# KiCad board DumpsterPanel.kicad_pcb
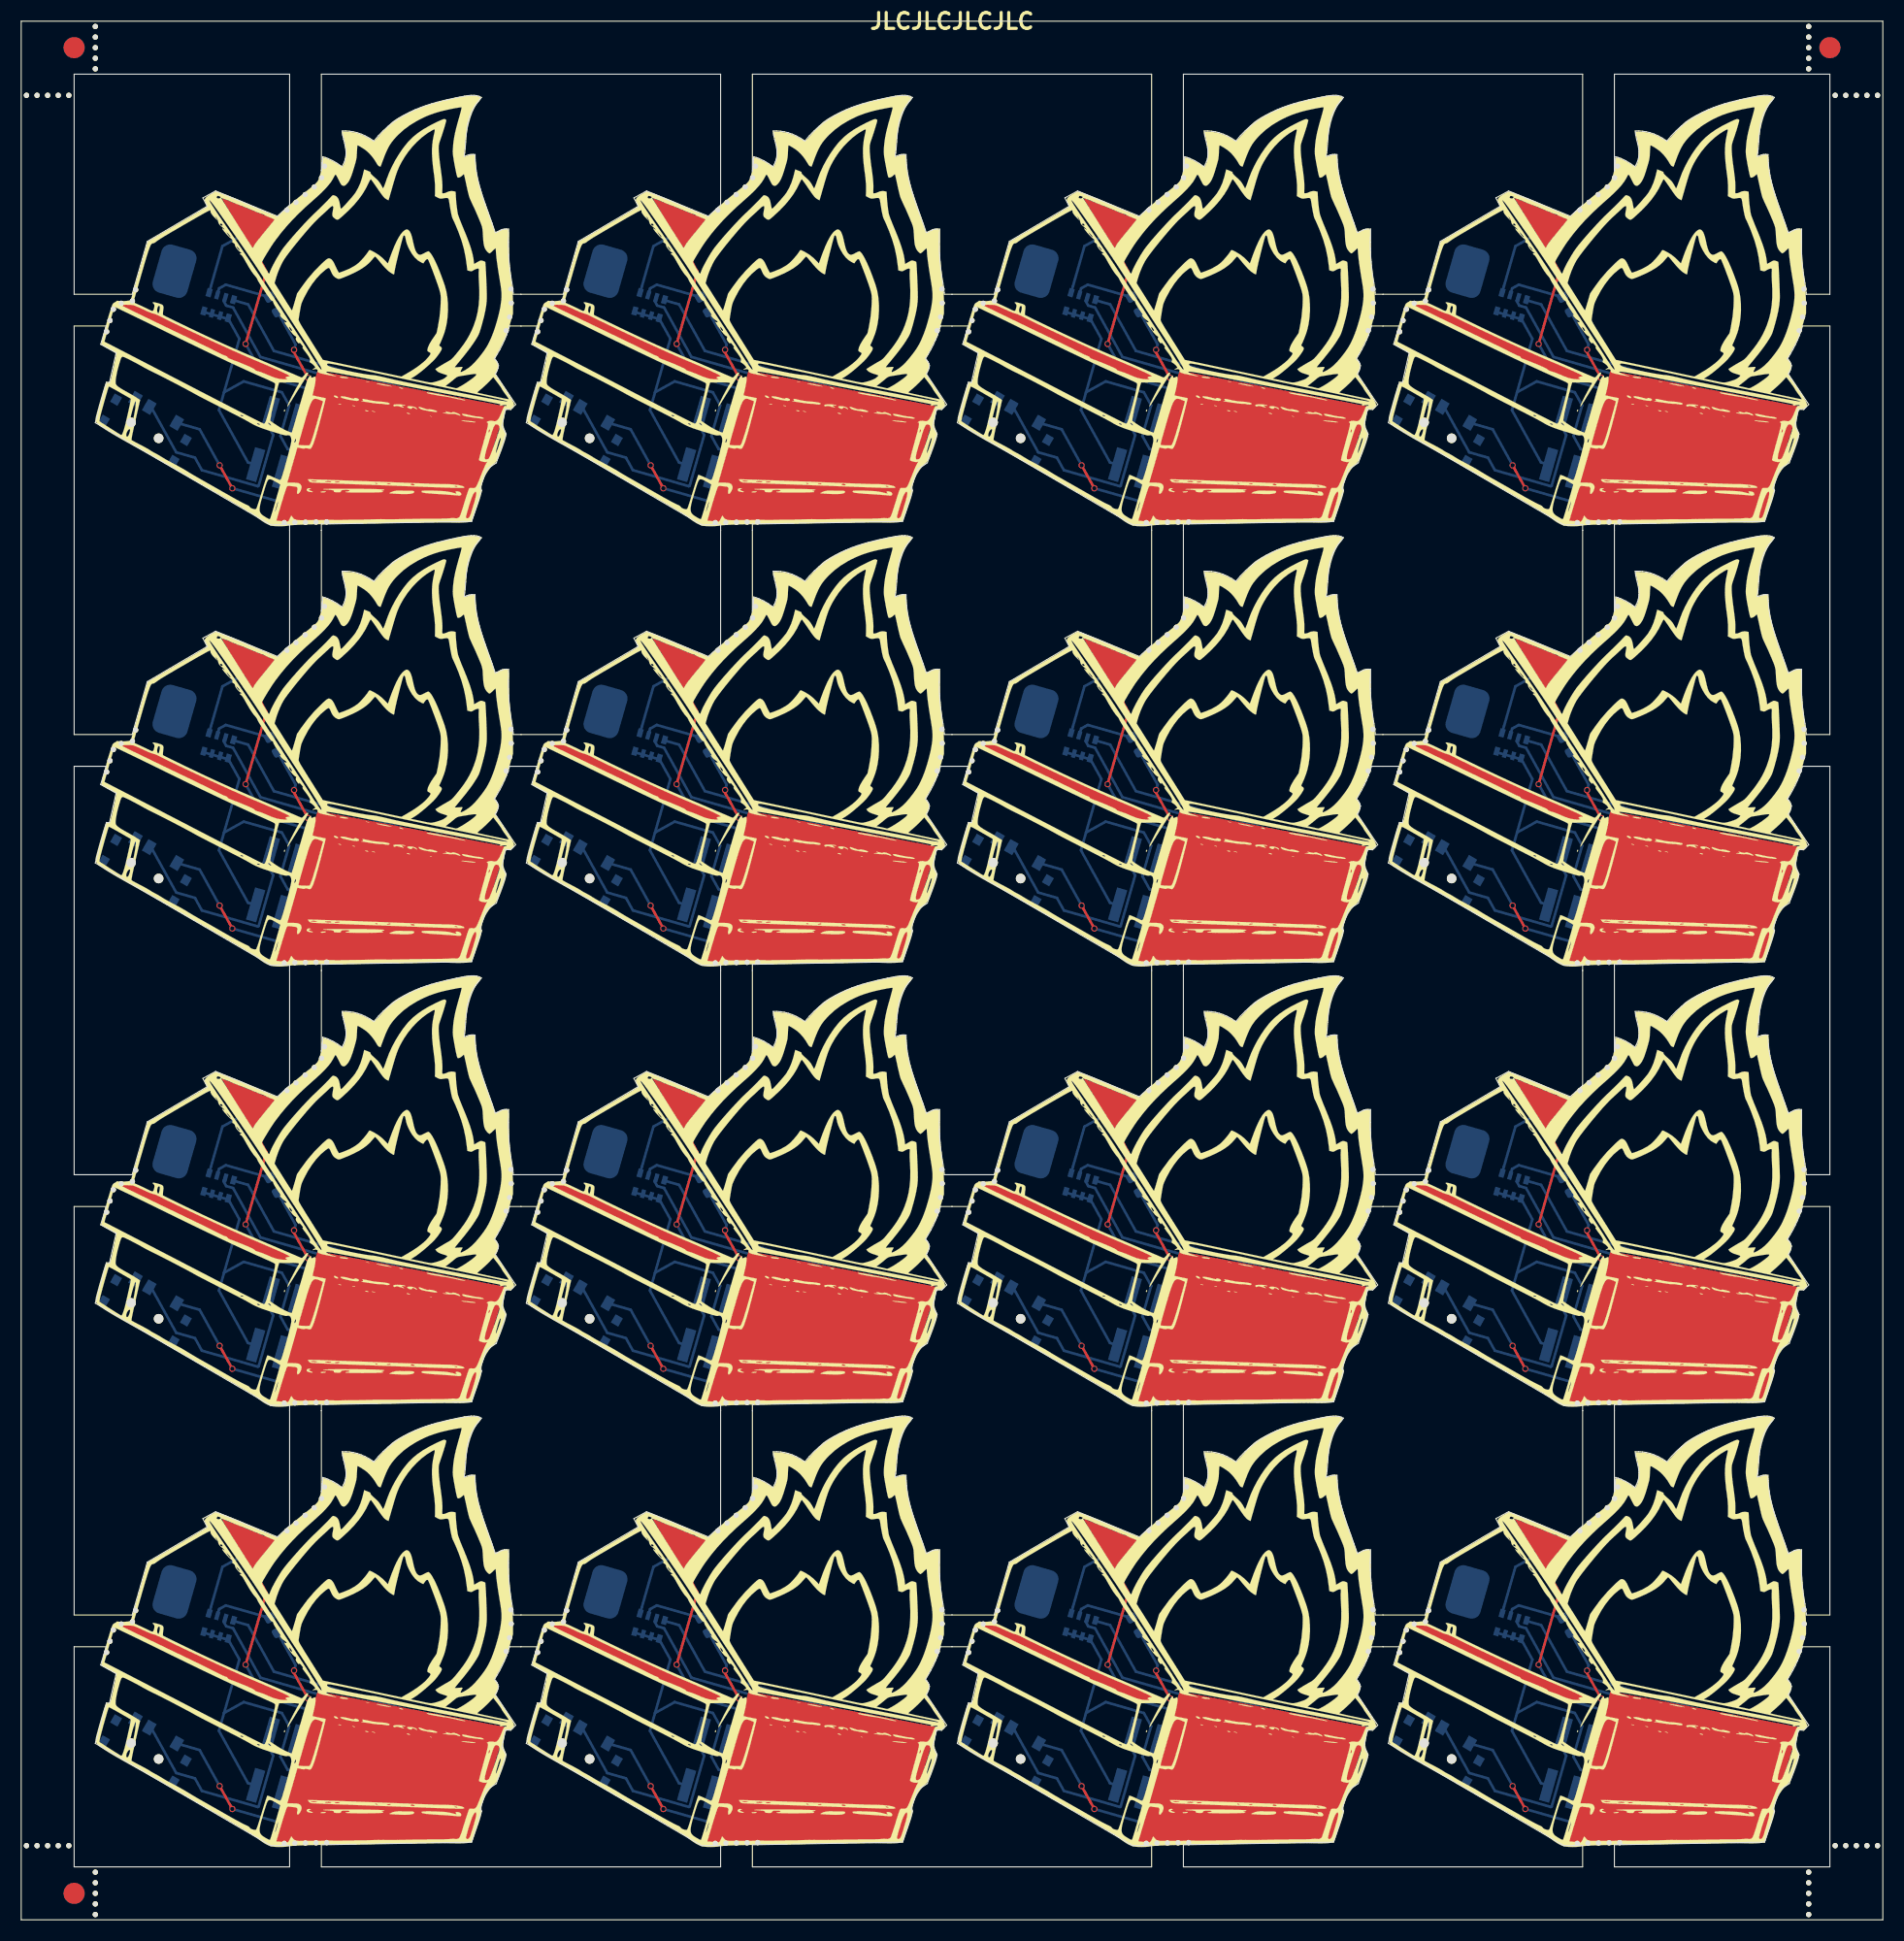
[diagram p0: board, top side]
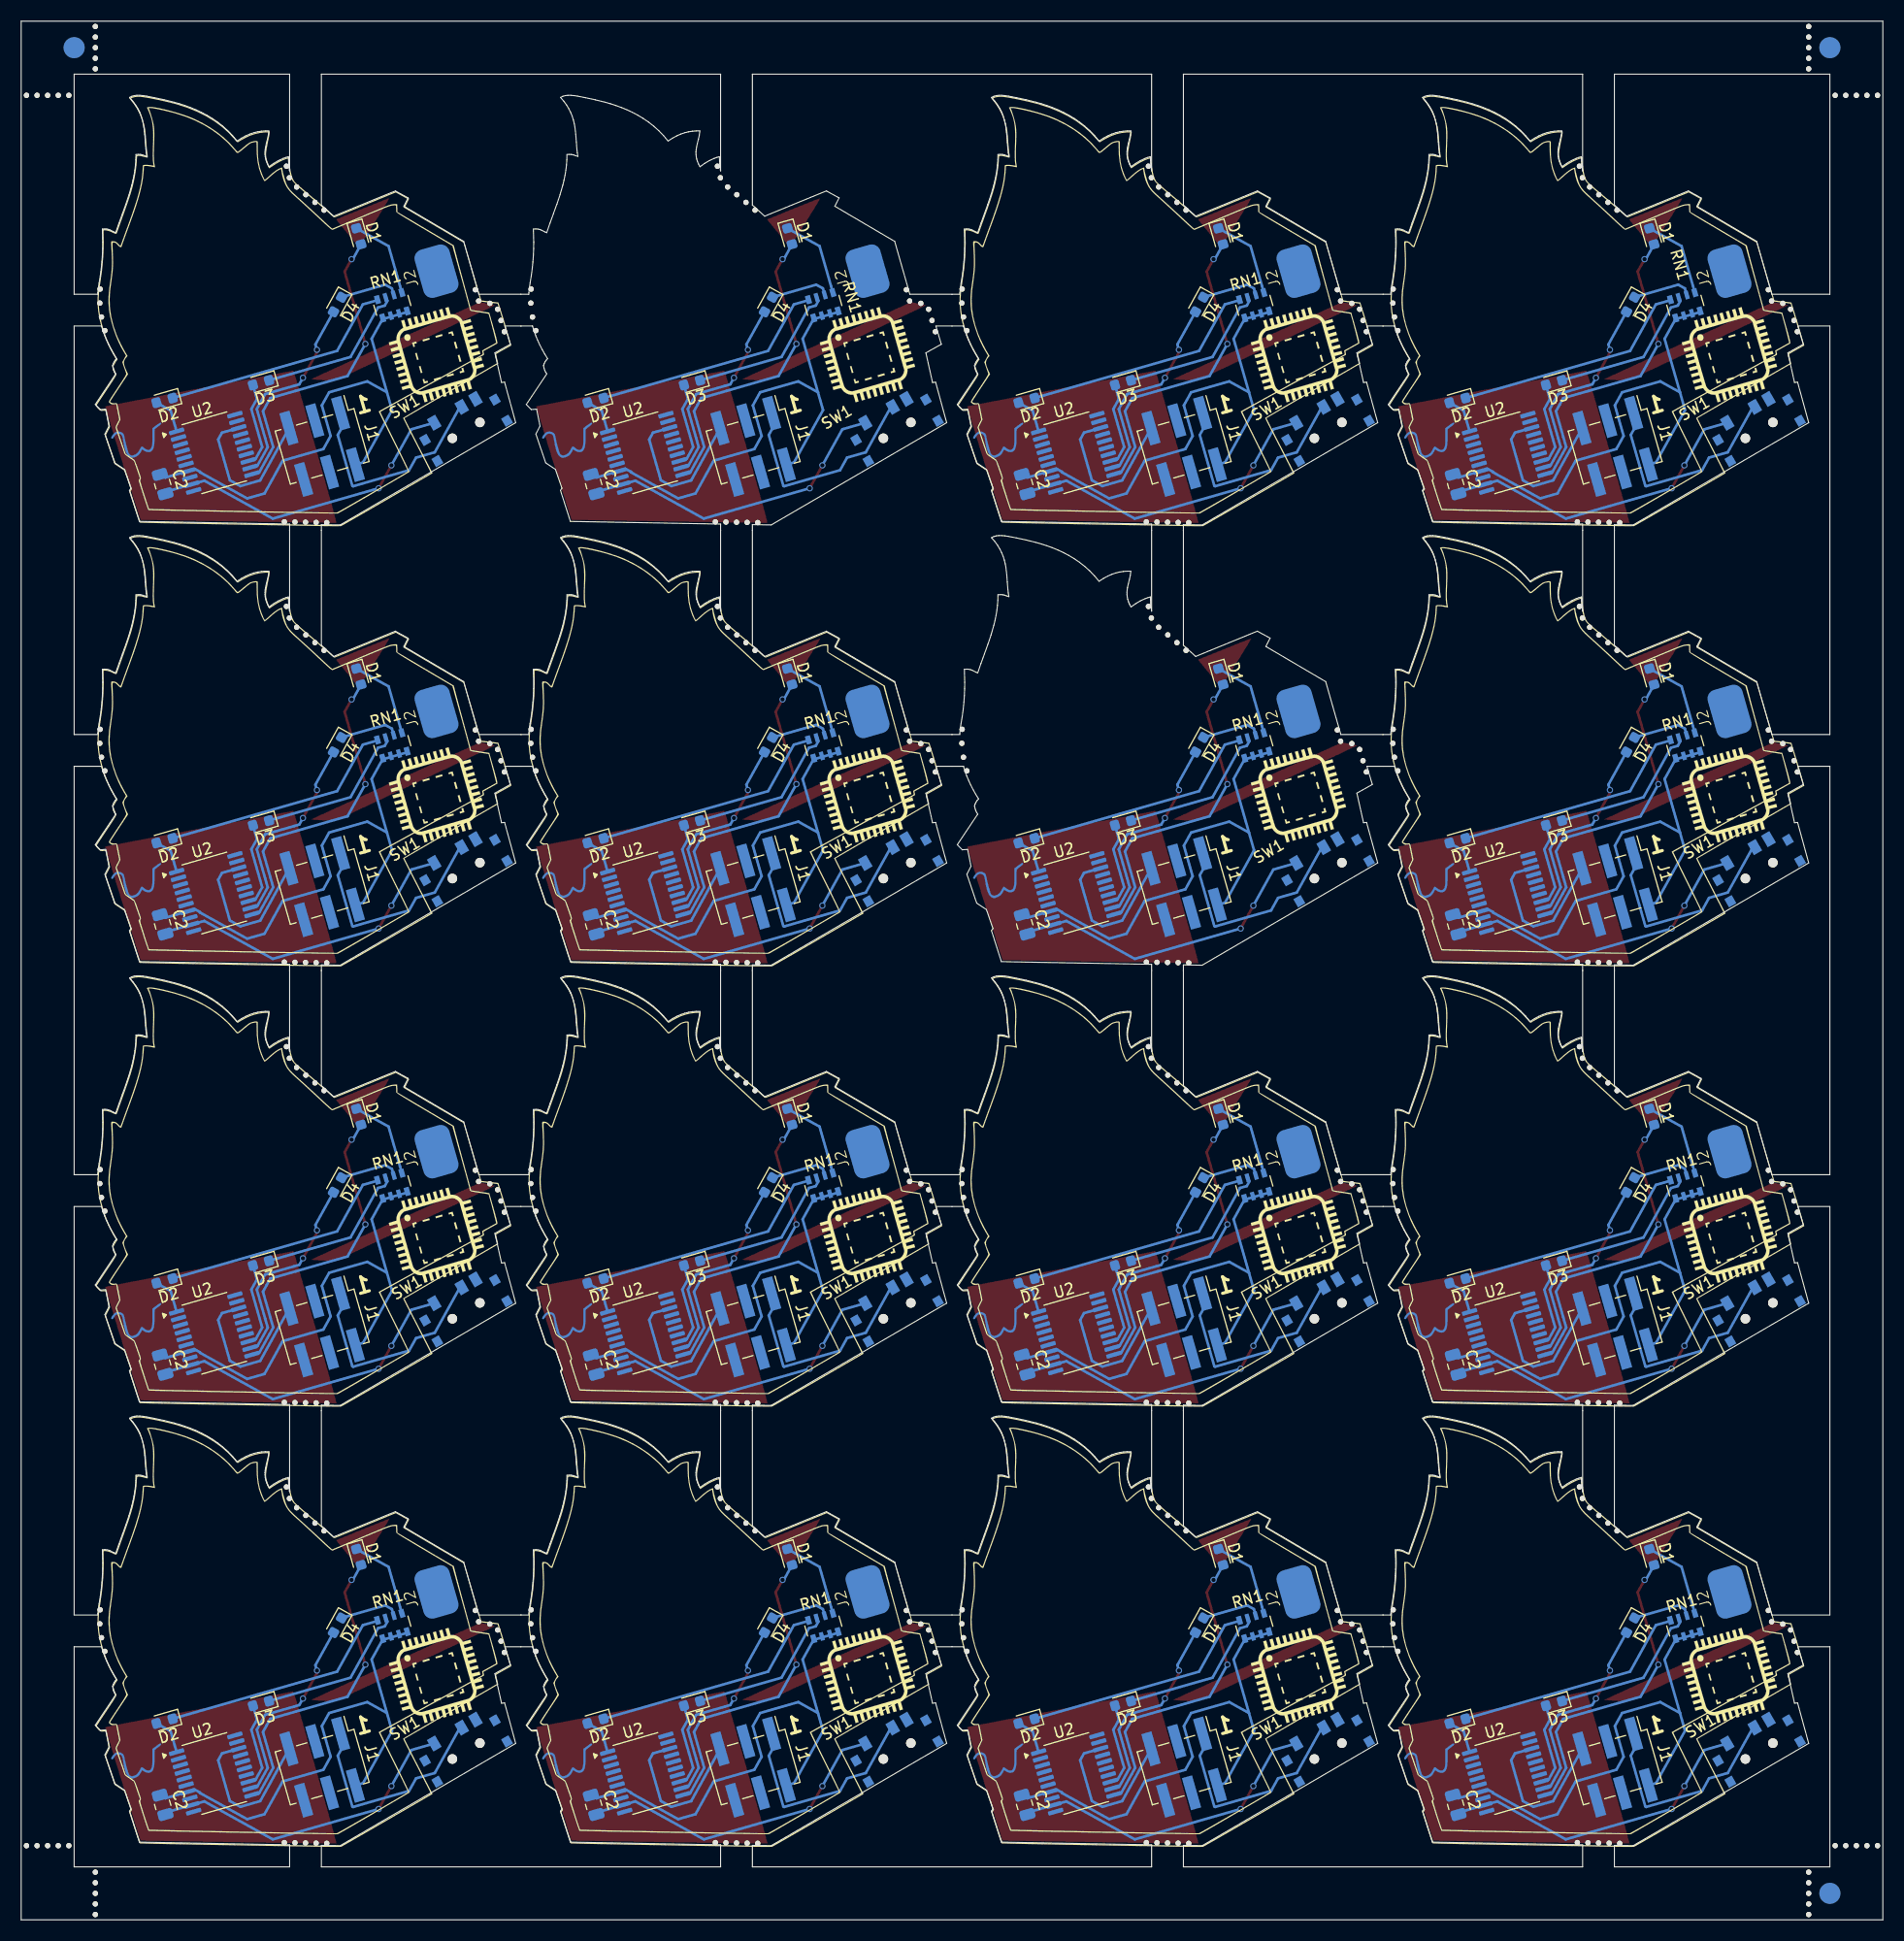
[diagram p1: board, bottom side, seen from below]

Outline 175.81 x 179.29 mm; copper layers: Top, Bottom. Coordinates in mm from the lower left corner of the outline.

## Placement (name value [footprint] x y rotation side)
C2  C_Small  [C_0805_2012Metric]  81.04 135.58 254 bottom
C2#2  C_Small  [C_0805_2012Metric]  81.04 10.86 254 bottom
C2#3  C_Small  [C_0805_2012Metric]  40.34 135.58 254 bottom
C2#4  C_Small  [C_0805_2012Metric]  121.74 135.58 254 bottom
C2#5  C_Small  [C_0805_2012Metric]  162.45 135.58 254 bottom
C2#6  C_Small  [C_0805_2012Metric]  40.34 52.43 254 bottom
C2#7  C_Small  [C_0805_2012Metric]  162.45 10.86 254 bottom
C2#8  C_Small  [C_0805_2012Metric]  162.45 52.43 254 bottom
C2#9  C_Small  [C_0805_2012Metric]  40.34 10.86 254 bottom
C2#10  C_Small  [C_0805_2012Metric]  121.74 52.43 254 bottom
C2#11  C_Small  [C_0805_2012Metric]  121.74 10.86 254 bottom
C2#12  C_Small  [C_0805_2012Metric]  81.04 94 254 bottom
C2#13  C_Small  [C_0805_2012Metric]  162.45 94 254 bottom
C2#14  C_Small  [C_0805_2012Metric]  121.74 94 254 bottom
C2#15  C_Small  [C_0805_2012Metric]  81.04 52.43 254 bottom
C2#16  C_Small  [C_0805_2012Metric]  40.34 94 254 bottom
D1  LED_Small  [LED_0603_1608Metric]  62.52 158.97 254 bottom
D1#2  LED_Small  [LED_0603_1608Metric]  143.93 117.4 254 bottom
D1#3  LED_Small  [LED_0603_1608Metric]  21.82 158.97 254 bottom
D1#4  LED_Small  [LED_0603_1608Metric]  143.93 75.83 254 bottom
D1#5  LED_Small  [LED_0603_1608Metric]  21.82 117.4 254 bottom
D1#6  LED_Small  [LED_0603_1608Metric]  62.52 117.4 254 bottom
D1#7  LED_Small  [LED_0603_1608Metric]  21.82 34.26 254 bottom
D1#8  LED_Small  [LED_0603_1608Metric]  21.82 75.83 254 bottom
D1#9  LED_Small  [LED_0603_1608Metric]  103.23 75.83 254 bottom
D1#10  LED_Small  [LED_0603_1608Metric]  62.52 34.26 254 bottom
D1#11  LED_Small  [LED_0603_1608Metric]  103.23 158.97 254 bottom
D1#12  LED_Small  [LED_0603_1608Metric]  103.23 34.26 254 bottom
D1#13  LED_Small  [LED_0603_1608Metric]  143.93 158.97 254 bottom
D1#14  LED_Small  [LED_0603_1608Metric]  143.93 34.26 254 bottom
D1#15  LED_Small  [LED_0603_1608Metric]  103.23 117.4 254 bottom
D1#16  LED_Small  [LED_0603_1608Metric]  62.52 75.83 254 bottom
D2  LED_Small  [LED_0603_1608Metric]  121.57 101.91 344 bottom
D2#2  LED_Small  [LED_0603_1608Metric]  121.57 60.34 344 bottom
D2#3  LED_Small  [LED_0603_1608Metric]  80.86 18.76 344 bottom
D2#4  LED_Small  [LED_0603_1608Metric]  162.27 101.91 344 bottom
D2#5  LED_Small  [LED_0603_1608Metric]  40.16 143.48 344 bottom
D2#6  LED_Small  [LED_0603_1608Metric]  80.86 101.91 344 bottom
D2#7  LED_Small  [LED_0603_1608Metric]  40.16 60.34 344 bottom
D2#8  LED_Small  [LED_0603_1608Metric]  40.16 101.91 344 bottom
D2#9  LED_Small  [LED_0603_1608Metric]  121.57 18.76 344 bottom
D2#10  LED_Small  [LED_0603_1608Metric]  80.86 143.48 344 bottom
D2#11  LED_Small  [LED_0603_1608Metric]  162.27 143.48 344 bottom
D2#12  LED_Small  [LED_0603_1608Metric]  162.27 18.76 344 bottom
D2#13  LED_Small  [LED_0603_1608Metric]  80.86 60.34 344 bottom
D2#14  LED_Small  [LED_0603_1608Metric]  121.57 143.48 344 bottom
D2#15  LED_Small  [LED_0603_1608Metric]  40.16 18.76 344 bottom
D2#16  LED_Small  [LED_0603_1608Metric]  162.27 60.34 344 bottom
D3  LED_Small  [LED_0603_1608Metric]  31.06 20.44 344 bottom
D3#2  LED_Small  [LED_0603_1608Metric]  112.46 20.44 344 bottom
D3#3  LED_Small  [LED_0603_1608Metric]  71.76 145.16 344 bottom
D3#4  LED_Small  [LED_0603_1608Metric]  112.46 145.16 344 bottom
D3#5  LED_Small  [LED_0603_1608Metric]  153.17 145.16 344 bottom
D3#6  LED_Small  [LED_0603_1608Metric]  153.17 20.44 344 bottom
D3#7  LED_Small  [LED_0603_1608Metric]  112.46 103.58 344 bottom
D3#8  LED_Small  [LED_0603_1608Metric]  31.06 145.16 344 bottom
D3#9  LED_Small  [LED_0603_1608Metric]  153.17 103.58 344 bottom
D3#10  LED_Small  [LED_0603_1608Metric]  71.76 103.58 344 bottom
D3#11  LED_Small  [LED_0603_1608Metric]  71.76 20.44 344 bottom
D3#12  LED_Small  [LED_0603_1608Metric]  31.06 62.01 344 bottom
D3#13  LED_Small  [LED_0603_1608Metric]  153.17 62.01 344 bottom
D3#14  LED_Small  [LED_0603_1608Metric]  71.76 62.01 344 bottom
D3#15  LED_Small  [LED_0603_1608Metric]  112.46 62.01 344 bottom
D3#16  LED_Small  [LED_0603_1608Metric]  31.06 103.58 344 bottom
D4  LED_Small  [LED_0603_1608Metric]  105.23 152.53 299 bottom
D4#2  LED_Small  [LED_0603_1608Metric]  145.93 69.39 299 bottom
D4#3  LED_Small  [LED_0603_1608Metric]  64.53 27.82 299 bottom
D4#4  LED_Small  [LED_0603_1608Metric]  23.82 152.53 299 bottom
D4#5  LED_Small  [LED_0603_1608Metric]  145.93 110.96 299 bottom
D4#6  LED_Small  [LED_0603_1608Metric]  105.23 69.39 299 bottom
D4#7  LED_Small  [LED_0603_1608Metric]  64.53 69.39 299 bottom
D4#8  LED_Small  [LED_0603_1608Metric]  23.82 110.96 299 bottom
D4#9  LED_Small  [LED_0603_1608Metric]  105.23 27.82 299 bottom
D4#10  LED_Small  [LED_0603_1608Metric]  64.53 152.53 299 bottom
D4#11  LED_Small  [LED_0603_1608Metric]  23.82 69.39 299 bottom
D4#12  LED_Small  [LED_0603_1608Metric]  23.82 27.82 299 bottom
D4#13  LED_Small  [LED_0603_1608Metric]  64.53 110.96 299 bottom
D4#14  LED_Small  [LED_0603_1608Metric]  145.93 27.82 299 bottom
D4#15  LED_Small  [LED_0603_1608Metric]  105.23 110.96 299 bottom
D4#16  LED_Small  [LED_0603_1608Metric]  145.93 152.53 299 bottom
G***  -  [LOGO]  151.2 152.58 344 top
G***#2  -  [LOGO]  29.09 152.58 344 top
G***#3  -  [LOGO]  151.2 111.01 344 top
G***#4  -  [LOGO]  29.09 152.58 344 top
G***#5  -  [LOGO]  110.5 69.44 344 top
G***#6  -  [LOGO]  110.5 111.01 344 top
G***#7  -  [LOGO]  69.79 69.44 344 top
G***#8  -  [LOGO]  69.79 27.87 344 top
G***#9  -  [LOGO]  110.5 69.44 344 top
G***#10  -  [LOGO]  110.5 111.01 344 top
G***#11  -  [LOGO]  29.09 27.87 344 top
G***#12  -  [LOGO]  110.5 69.44 344 top
G***#13  -  [LOGO]  69.79 27.87 344 top
G***#14  -  [LOGO]  29.09 111.01 344 top
G***#15  -  [LOGO]  69.79 152.58 344 top
G***#16  -  [LOGO]  110.5 27.87 344 top
G***#17  -  [LOGO]  110.5 27.87 344 top
G***#18  -  [LOGO]  151.2 27.87 344 top
G***#19  -  [LOGO]  69.79 152.58 344 top
G***#20  -  [LOGO]  151.2 69.44 344 top
G***#21  -  [LOGO]  151.2 152.58 344 top
G***#22  -  [LOGO]  69.79 152.58 344 top
G***#23  -  [LOGO]  110.5 27.87 344 top
G***#24  -  [LOGO]  151.2 27.87 344 top
G***#25  -  [LOGO]  151.2 111.01 344 top
G***#26  -  [LOGO]  69.79 69.44 344 top
G***#27  -  [LOGO]  29.09 69.44 344 top
G***#28  -  [LOGO]  69.79 111.01 344 top
G***#29  -  [LOGO]  151.2 69.44 344 top
G***#30  -  [LOGO]  29.09 111.01 344 top
G***#31  -  [LOGO]  29.09 27.87 344 top
G***#32  -  [LOGO]  110.5 111.01 344 top
G***#33  -  [LOGO]  110.5 152.58 344 top
G***#34  -  [LOGO]  69.79 27.87 344 top
G***#35  -  [LOGO]  110.5 27.87 344 top
G***#36  -  [LOGO]  110.5 69.44 344 top
G***#37  -  [LOGO]  29.09 27.87 344 top
G***#38  -  [LOGO]  151.2 152.58 344 top
G***#39  -  [LOGO]  151.2 69.44 344 top
G***#40  -  [LOGO]  29.09 152.58 344 top
G***#41  -  [LOGO]  151.2 111.01 344 top
G***#42  -  [LOGO]  69.79 27.87 344 top
G***#43  -  [LOGO]  151.2 111.01 344 top
G***#44  -  [LOGO]  29.09 27.87 344 top
G***#45  -  [LOGO]  29.09 152.58 344 top
G***#46  -  [LOGO]  69.79 111.01 344 top
G***#47  -  [LOGO]  29.09 69.44 344 top
G***#48  -  [LOGO]  110.5 152.58 344 top
G***#49  -  [LOGO]  110.5 111.01 344 top
G***#50  -  [LOGO]  69.79 69.44 344 top
G***#51  -  [LOGO]  69.79 69.44 344 top
G***#52  -  [LOGO]  29.09 111.01 344 top
G***#53  -  [LOGO]  69.79 111.01 344 top
G***#54  -  [LOGO]  29.09 111.01 344 top
G***#55  -  [LOGO]  110.5 152.58 344 top
G***#56  -  [LOGO]  29.09 69.44 344 top
G***#57  -  [LOGO]  29.09 69.44 344 top
G***#58  -  [LOGO]  151.2 152.58 344 top
G***#59  -  [LOGO]  151.2 69.44 344 top
G***#60  -  [LOGO]  69.79 111.01 344 top
G***#61  -  [LOGO]  110.5 152.58 344 top
G***#62  -  [LOGO]  151.2 27.87 344 top
G***#63  -  [LOGO]  151.2 27.87 344 top
G***#64  -  [LOGO]  69.79 152.58 344 top
J1  Conn_02x03_Odd_Even  [PinHeader_2x03_P2.54mm_Vertical_SMD]  106.68 56 254 bottom
J1#2  Conn_02x03_Odd_Even  [PinHeader_2x03_P2.54mm_Vertical_SMD]  25.28 56 254 bottom
J1#3  Conn_02x03_Odd_Even  [PinHeader_2x03_P2.54mm_Vertical_SMD]  65.98 56 254 bottom
J1#4  Conn_02x03_Odd_Even  [PinHeader_2x03_P2.54mm_Vertical_SMD]  106.68 14.42 254 bottom
J1#5  Conn_02x03_Odd_Even  [PinHeader_2x03_P2.54mm_Vertical_SMD]  65.98 139.14 254 bottom
J1#6  Conn_02x03_Odd_Even  [PinHeader_2x03_P2.54mm_Vertical_SMD]  106.68 139.14 254 bottom
J1#7  Conn_02x03_Odd_Even  [PinHeader_2x03_P2.54mm_Vertical_SMD]  147.39 56 254 bottom
J1#8  Conn_02x03_Odd_Even  [PinHeader_2x03_P2.54mm_Vertical_SMD]  147.39 139.14 254 bottom
J1#9  Conn_02x03_Odd_Even  [PinHeader_2x03_P2.54mm_Vertical_SMD]  65.98 14.42 254 bottom
J1#10  Conn_02x03_Odd_Even  [PinHeader_2x03_P2.54mm_Vertical_SMD]  106.68 97.57 254 bottom
J1#11  Conn_02x03_Odd_Even  [PinHeader_2x03_P2.54mm_Vertical_SMD]  147.39 97.57 254 bottom
J1#12  Conn_02x03_Odd_Even  [PinHeader_2x03_P2.54mm_Vertical_SMD]  25.28 97.57 254 bottom
J1#13  Conn_02x03_Odd_Even  [PinHeader_2x03_P2.54mm_Vertical_SMD]  25.28 14.42 254 bottom
J1#14  Conn_02x03_Odd_Even  [PinHeader_2x03_P2.54mm_Vertical_SMD]  147.39 14.42 254 bottom
J1#15  Conn_02x03_Odd_Even  [PinHeader_2x03_P2.54mm_Vertical_SMD]  65.98 97.57 254 bottom
J1#16  Conn_02x03_Odd_Even  [PinHeader_2x03_P2.54mm_Vertical_SMD]  25.28 139.14 254 bottom
J2  Conn_01x01  [TestPoint_5016]  55.18 72.54 74 bottom
J2#2  Conn_01x01  [TestPoint_5016]  95.88 155.68 74 bottom
J2#3  Conn_01x01  [TestPoint_5016]  136.59 155.68 74 bottom
J2#4  Conn_01x01  [TestPoint_5016]  136.59 30.96 74 bottom
J2#5  Conn_01x01  [TestPoint_5016]  14.48 72.54 74 bottom
J2#6  Conn_01x01  [TestPoint_5016]  14.48 155.68 74 bottom
J2#7  Conn_01x01  [TestPoint_5016]  55.18 114.11 74 bottom
J2#8  Conn_01x01  [TestPoint_5016]  14.48 30.96 74 bottom
J2#9  Conn_01x01  [TestPoint_5016]  136.59 114.11 74 bottom
J2#10  Conn_01x01  [TestPoint_5016]  136.59 72.54 74 bottom
J2#11  Conn_01x01  [TestPoint_5016]  95.88 72.54 74 bottom
J2#12  Conn_01x01  [TestPoint_5016]  14.48 114.11 74 bottom
J2#13  Conn_01x01  [TestPoint_5016]  95.88 30.96 74 bottom
J2#14  Conn_01x01  [TestPoint_5016]  55.18 155.68 74 bottom
J2#15  Conn_01x01  [TestPoint_5016]  55.18 30.96 74 bottom
J2#16  Conn_01x01  [TestPoint_5016]  95.88 114.11 74 bottom
KiKit_FID_B_1  -  [Fiducial]  5 176.79 0 bottom
KiKit_FID_B_2  -  [Fiducial]  170.81 176.79 0 bottom
KiKit_FID_B_3  -  [Fiducial]  5 2.5 0 bottom
KiKit_FID_T_1  -  [Fiducial]  5 176.79 0 top
KiKit_FID_T_2  -  [Fiducial]  170.81 176.79 0 top
KiKit_FID_T_3  -  [Fiducial]  5 2.5 0 top
KiKit_MB_1_1  -  [NPTH]  8.07 149.97 0 top
KiKit_MB_1_2  -  [NPTH]  8.39 151.03 0 top
KiKit_MB_1_3  -  [NPTH]  8.71 152.09 0 top
KiKit_MB_1_4  -  [NPTH]  9.45 152.65 0 top
KiKit_MB_1_5  -  [NPTH]  10.5 152.87 0 top
KiKit_MB_1_6  -  [NPTH]  10.81 153.93 0 top
KiKit_MB_2_1  -  [NPTH]  46.25 153.99 0 top
KiKit_MB_2_2  -  [NPTH]  46.28 152.67 0 top
KiKit_MB_2_3  -  [NPTH]  46.12 151.36 0 top
KiKit_MB_2_4  -  [NPTH]  45.8 150.07 0 top
KiKit_MB_3_1  -  [NPTH]  25.1 161.45 0 top
KiKit_MB_3_2  -  [NPTH]  25.96 162.18 0 top
KiKit_MB_3_3  -  [NPTH]  26.82 162.91 0 top
KiKit_MB_3_4  -  [NPTH]  27.69 163.63 0 top
KiKit_MB_3_5  -  [NPTH]  28.37 164.51 0 top
KiKit_MB_3_6  -  [NPTH]  28.65 165.6 0 top
KiKit_MB_4_1  -  [NPTH]  28.85 132.01 0 top
KiKit_MB_4_2  -  [NPTH]  27.85 131.99 0 top
KiKit_MB_4_3  -  [NPTH]  26.85 131.98 0 top
KiKit_MB_4_4  -  [NPTH]  25.85 131.96 0 top
KiKit_MB_4_5  -  [NPTH]  24.85 131.94 0 top
KiKit_MB_5_1  -  [NPTH]  48.77 149.97 0 top
KiKit_MB_5_2  -  [NPTH]  49.09 151.03 0 top
KiKit_MB_5_3  -  [NPTH]  49.41 152.09 0 top
KiKit_MB_5_4  -  [NPTH]  50.15 152.65 0 top
KiKit_MB_5_5  -  [NPTH]  51.21 152.87 0 top
KiKit_MB_5_6  -  [NPTH]  51.51 153.93 0 top
KiKit_MB_6_1  -  [NPTH]  86.95 153.99 0 top
KiKit_MB_6_2  -  [NPTH]  86.98 152.67 0 top
KiKit_MB_6_3  -  [NPTH]  86.82 151.36 0 top
KiKit_MB_6_4  -  [NPTH]  86.5 150.07 0 top
KiKit_MB_7_1  -  [NPTH]  65.8 161.45 0 top
KiKit_MB_7_2  -  [NPTH]  66.66 162.18 0 top
KiKit_MB_7_3  -  [NPTH]  67.52 162.91 0 top
KiKit_MB_7_4  -  [NPTH]  68.39 163.63 0 top
KiKit_MB_7_5  -  [NPTH]  69.08 164.51 0 top
KiKit_MB_7_6  -  [NPTH]  69.36 165.6 0 top
KiKit_MB_8_1  -  [NPTH]  69.55 132.01 0 top
KiKit_MB_8_2  -  [NPTH]  68.55 131.99 0 top
KiKit_MB_8_3  -  [NPTH]  67.55 131.98 0 top
KiKit_MB_8_4  -  [NPTH]  66.55 131.96 0 top
KiKit_MB_8_5  -  [NPTH]  65.55 131.94 0 top
KiKit_MB_9_1  -  [NPTH]  89.48 149.97 0 top
KiKit_MB_9_2  -  [NPTH]  89.79 151.03 0 top
KiKit_MB_9_3  -  [NPTH]  90.11 152.09 0 top
KiKit_MB_9_4  -  [NPTH]  90.85 152.65 0 top
KiKit_MB_9_5  -  [NPTH]  91.91 152.87 0 top
KiKit_MB_9_6  -  [NPTH]  92.22 153.93 0 top
KiKit_MB_10_1  -  [NPTH]  127.65 153.99 0 top
KiKit_MB_10_2  -  [NPTH]  127.68 152.67 0 top
KiKit_MB_10_3  -  [NPTH]  127.52 151.36 0 top
KiKit_MB_10_4  -  [NPTH]  127.2 150.07 0 top
KiKit_MB_11_1  -  [NPTH]  106.51 161.45 0 top
KiKit_MB_11_2  -  [NPTH]  107.36 162.18 0 top
KiKit_MB_11_3  -  [NPTH]  108.23 162.91 0 top
KiKit_MB_11_4  -  [NPTH]  109.09 163.63 0 top
KiKit_MB_11_5  -  [NPTH]  109.78 164.51 0 top
KiKit_MB_11_6  -  [NPTH]  110.06 165.6 0 top
KiKit_MB_12_1  -  [NPTH]  110.25 132.01 0 top
KiKit_MB_12_2  -  [NPTH]  109.25 131.99 0 top
KiKit_MB_12_3  -  [NPTH]  108.25 131.98 0 top
KiKit_MB_12_4  -  [NPTH]  107.25 131.96 0 top
KiKit_MB_12_5  -  [NPTH]  106.25 131.94 0 top
KiKit_MB_13_1  -  [NPTH]  130.18 149.97 0 top
KiKit_MB_13_2  -  [NPTH]  130.5 151.03 0 top
KiKit_MB_13_3  -  [NPTH]  130.81 152.09 0 top
KiKit_MB_13_4  -  [NPTH]  131.55 152.65 0 top
KiKit_MB_13_5  -  [NPTH]  132.61 152.87 0 top
KiKit_MB_13_6  -  [NPTH]  132.92 153.93 0 top
KiKit_MB_14_1  -  [NPTH]  168.35 153.99 0 top
KiKit_MB_14_2  -  [NPTH]  168.38 152.67 0 top
KiKit_MB_14_3  -  [NPTH]  168.23 151.36 0 top
KiKit_MB_14_4  -  [NPTH]  167.91 150.07 0 top
KiKit_MB_15_1  -  [NPTH]  147.21 161.45 0 top
KiKit_MB_15_2  -  [NPTH]  148.07 162.18 0 top
KiKit_MB_15_3  -  [NPTH]  148.93 162.91 0 top
KiKit_MB_15_4  -  [NPTH]  149.79 163.63 0 top
KiKit_MB_15_5  -  [NPTH]  150.48 164.51 0 top
KiKit_MB_15_6  -  [NPTH]  150.76 165.6 0 top
KiKit_MB_16_1  -  [NPTH]  150.96 132.01 0 top
KiKit_MB_16_2  -  [NPTH]  149.96 131.99 0 top
KiKit_MB_16_3  -  [NPTH]  148.96 131.98 0 top
KiKit_MB_16_4  -  [NPTH]  147.96 131.96 0 top
KiKit_MB_16_5  -  [NPTH]  146.96 131.94 0 top
KiKit_MB_17_1  -  [NPTH]  8.07 108.4 0 top
KiKit_MB_17_2  -  [NPTH]  8.39 109.46 0 top
KiKit_MB_17_3  -  [NPTH]  8.71 110.52 0 top
KiKit_MB_17_4  -  [NPTH]  9.45 111.07 0 top
KiKit_MB_17_5  -  [NPTH]  10.5 111.29 0 top
KiKit_MB_17_6  -  [NPTH]  10.81 112.36 0 top
KiKit_MB_18_1  -  [NPTH]  46.25 112.42 0 top
KiKit_MB_18_2  -  [NPTH]  46.28 111.1 0 top
KiKit_MB_18_3  -  [NPTH]  46.12 109.78 0 top
KiKit_MB_18_4  -  [NPTH]  45.8 108.5 0 top
KiKit_MB_19_1  -  [NPTH]  25.1 119.87 0 top
KiKit_MB_19_2  -  [NPTH]  25.96 120.61 0 top
KiKit_MB_19_3  -  [NPTH]  26.82 121.34 0 top
KiKit_MB_19_4  -  [NPTH]  27.69 122.06 0 top
KiKit_MB_19_5  -  [NPTH]  28.37 122.93 0 top
KiKit_MB_19_6  -  [NPTH]  28.65 124.02 0 top
KiKit_MB_20_1  -  [NPTH]  28.85 90.44 0 top
KiKit_MB_20_2  -  [NPTH]  27.85 90.42 0 top
KiKit_MB_20_3  -  [NPTH]  26.85 90.4 0 top
KiKit_MB_20_4  -  [NPTH]  25.85 90.39 0 top
KiKit_MB_20_5  -  [NPTH]  24.85 90.37 0 top
KiKit_MB_21_1  -  [NPTH]  48.77 108.4 0 top
KiKit_MB_21_2  -  [NPTH]  49.09 109.46 0 top
KiKit_MB_21_3  -  [NPTH]  49.41 110.52 0 top
KiKit_MB_21_4  -  [NPTH]  50.15 111.07 0 top
KiKit_MB_21_5  -  [NPTH]  51.21 111.29 0 top
KiKit_MB_21_6  -  [NPTH]  51.51 112.36 0 top
KiKit_MB_22_1  -  [NPTH]  86.95 112.42 0 top
KiKit_MB_22_2  -  [NPTH]  86.98 111.1 0 top
KiKit_MB_22_3  -  [NPTH]  86.82 109.78 0 top
KiKit_MB_22_4  -  [NPTH]  86.5 108.5 0 top
KiKit_MB_23_1  -  [NPTH]  65.8 119.87 0 top
KiKit_MB_23_2  -  [NPTH]  66.66 120.61 0 top
KiKit_MB_23_3  -  [NPTH]  67.52 121.34 0 top
KiKit_MB_23_4  -  [NPTH]  68.39 122.06 0 top
KiKit_MB_23_5  -  [NPTH]  69.08 122.93 0 top
KiKit_MB_23_6  -  [NPTH]  69.36 124.02 0 top
KiKit_MB_24_1  -  [NPTH]  69.55 90.44 0 top
KiKit_MB_24_2  -  [NPTH]  68.55 90.42 0 top
KiKit_MB_24_3  -  [NPTH]  67.55 90.4 0 top
KiKit_MB_24_4  -  [NPTH]  66.55 90.39 0 top
KiKit_MB_24_5  -  [NPTH]  65.55 90.37 0 top
KiKit_MB_25_1  -  [NPTH]  89.48 108.4 0 top
KiKit_MB_25_2  -  [NPTH]  89.79 109.46 0 top
KiKit_MB_25_3  -  [NPTH]  90.11 110.52 0 top
KiKit_MB_25_4  -  [NPTH]  90.85 111.07 0 top
KiKit_MB_25_5  -  [NPTH]  91.91 111.29 0 top
KiKit_MB_25_6  -  [NPTH]  92.22 112.36 0 top
KiKit_MB_26_1  -  [NPTH]  127.65 112.42 0 top
KiKit_MB_26_2  -  [NPTH]  127.68 111.1 0 top
KiKit_MB_26_3  -  [NPTH]  127.52 109.78 0 top
KiKit_MB_26_4  -  [NPTH]  127.2 108.5 0 top
KiKit_MB_27_1  -  [NPTH]  106.51 119.87 0 top
KiKit_MB_27_2  -  [NPTH]  107.36 120.61 0 top
KiKit_MB_27_3  -  [NPTH]  108.23 121.34 0 top
KiKit_MB_27_4  -  [NPTH]  109.09 122.06 0 top
KiKit_MB_27_5  -  [NPTH]  109.78 122.93 0 top
KiKit_MB_27_6  -  [NPTH]  110.06 124.02 0 top
KiKit_MB_28_1  -  [NPTH]  110.25 90.44 0 top
KiKit_MB_28_2  -  [NPTH]  109.25 90.42 0 top
KiKit_MB_28_3  -  [NPTH]  108.25 90.4 0 top
KiKit_MB_28_4  -  [NPTH]  107.25 90.39 0 top
KiKit_MB_28_5  -  [NPTH]  106.25 90.37 0 top
KiKit_MB_29_1  -  [NPTH]  130.18 108.4 0 top
KiKit_MB_29_2  -  [NPTH]  130.5 109.46 0 top
KiKit_MB_29_3  -  [NPTH]  130.81 110.52 0 top
KiKit_MB_29_4  -  [NPTH]  131.55 111.07 0 top
KiKit_MB_29_5  -  [NPTH]  132.61 111.29 0 top
KiKit_MB_29_6  -  [NPTH]  132.92 112.36 0 top
KiKit_MB_30_1  -  [NPTH]  168.35 112.42 0 top
KiKit_MB_30_2  -  [NPTH]  168.38 111.1 0 top
KiKit_MB_30_3  -  [NPTH]  168.23 109.78 0 top
KiKit_MB_30_4  -  [NPTH]  167.91 108.5 0 top
KiKit_MB_31_1  -  [NPTH]  147.21 119.87 0 top
KiKit_MB_31_2  -  [NPTH]  148.07 120.61 0 top
KiKit_MB_31_3  -  [NPTH]  148.93 121.34 0 top
KiKit_MB_31_4  -  [NPTH]  149.79 122.06 0 top
KiKit_MB_31_5  -  [NPTH]  150.48 122.93 0 top
KiKit_MB_31_6  -  [NPTH]  150.76 124.02 0 top
KiKit_MB_32_1  -  [NPTH]  150.96 90.44 0 top
KiKit_MB_32_2  -  [NPTH]  149.96 90.42 0 top
KiKit_MB_32_3  -  [NPTH]  148.96 90.4 0 top
KiKit_MB_32_4  -  [NPTH]  147.96 90.39 0 top
KiKit_MB_32_5  -  [NPTH]  146.96 90.37 0 top
KiKit_MB_33_1  -  [NPTH]  8.07 66.82 0 top
KiKit_MB_33_2  -  [NPTH]  8.39 67.88 0 top
KiKit_MB_33_3  -  [NPTH]  8.71 68.94 0 top